# Altium PCB CS1237-24-Bit-ADC.PcbDoc
Units mm, origin at the board's own origin, x right, y up, seen from the top; angles counter-clockwise.
Board outline 33.17 x 16.3 mm, 2 copper layers (Top Layer, Bottom Layer); 16 components, 11 nets, 52 pads, 6 vias.
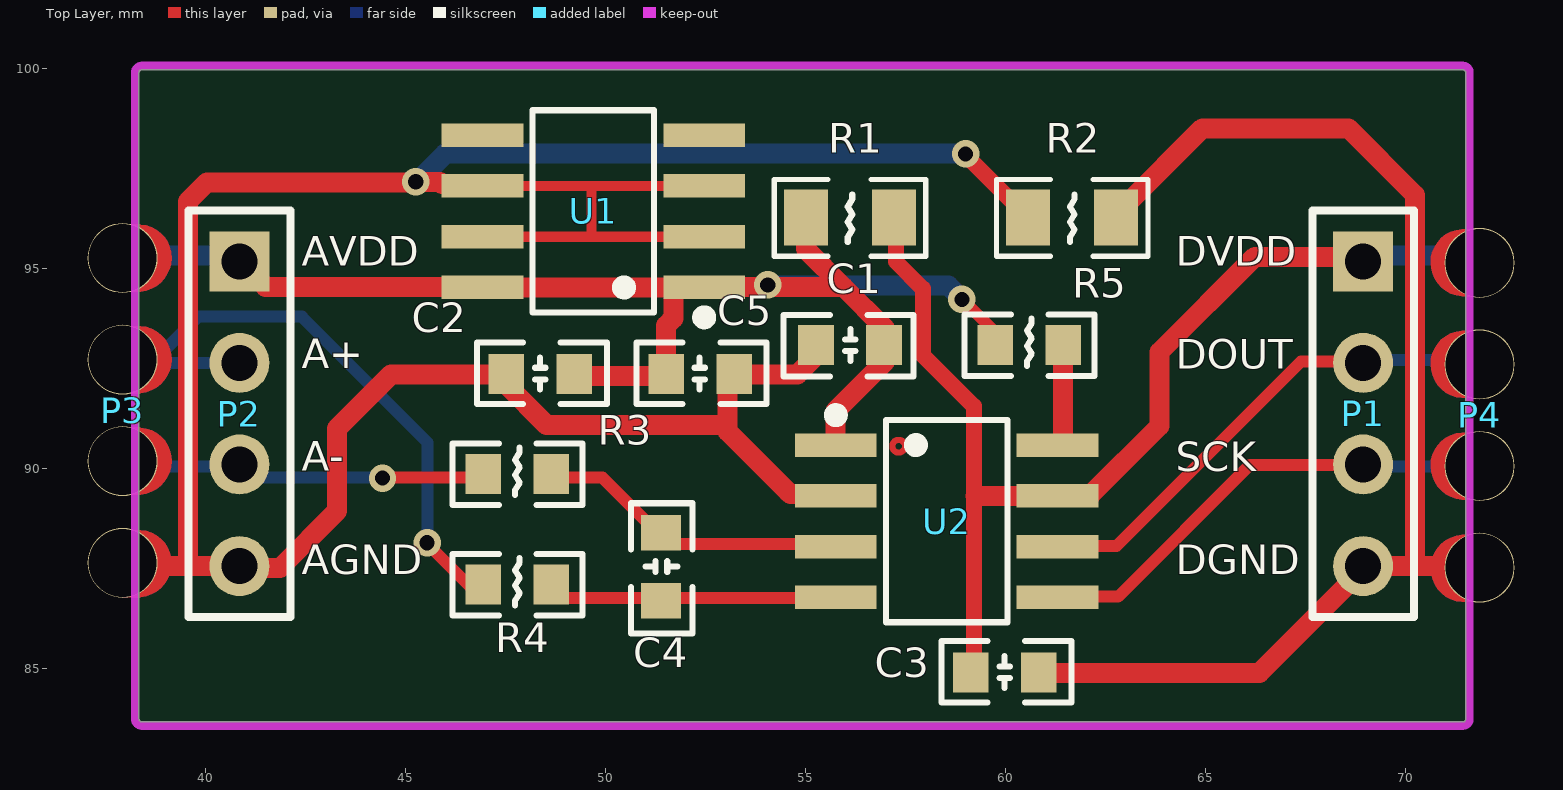
[diagram p0: Top Layer view]
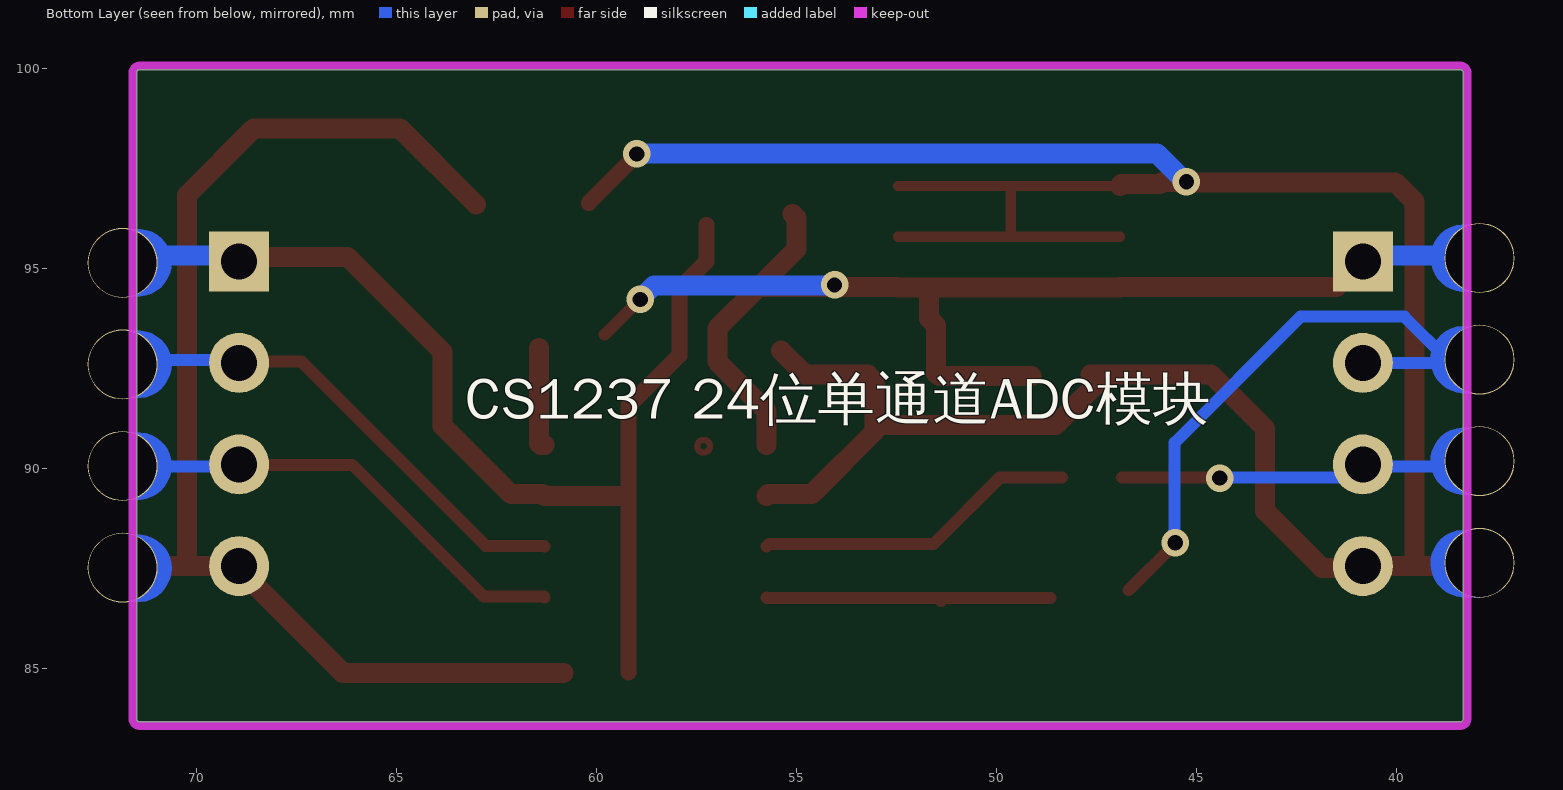
[diagram p1: Bottom Layer view, seen from below]

## Layer stack, top to bottom
Top Solder: solder mask 0.0102, Solder Resist, Dk 3.5
Top Layer: signal copper 0.0356
Dielectric 1: dielectric 0.32, FR-4, Dk 4.8
Bottom Layer: signal copper 0.0356
Bottom Solder: solder mask 0.0102, Solder Resist, Dk 3.5

## Board outline
38.325,83.74 38.325,99.893 cw(c38.4,99.893) 38.4,99.968 71.42,99.968 cw(c71.42,99.893) 71.495,99.893 71.495,83.74 cw(c71.42,83.74) 71.42,83.665 38.4,83.665 cw(c38.4,83.74)

## Design rules (kind name [scope] priority, off if disabled: settings)
Clearance [All] p1: gap=0.254 ignorepadtopadclearanceinfootprint=FALSE except(0: Arc-Hole Track-Hole SMDPad-Hole THPad-Hole Via-Hole Fill-Hole Poly-Hole Region-Hole Text-Hole)
PolygonConnect [All] p1: connectstyle=Relief reliefconductorwidth=0.254 reliefentries=4 polygonreliefangle="90 Angle" airgapwidth=0.254
RoutingVias [All] p1: holewidth=0.711 width=1.27 viastyle="Through Hole" minholewidth=0.711 minwidth=1.27 maxholewidth=0.711 maxwidth=1.27
SolderMaskExpansion [All] p1: expansion=0.102 istentingtop=FALSE
Width [All] p1: maxlimit=0.5 minlimit=0.254 preferedwidth=0.3
30 further rules are at their usual default settings.

## Components (designator, comment, footprint, x,y, rotation, side; value= is the part's Value field where it differs from the comment)
C1 "100nF" C0603 56.102,93.088 r180 top
C2 "1uF" C0603 48.363,92.364 r0 top
C3 "100nF" C0603 59.976,84.9 r0 top
C4 "100nF" C0603 51.38,87.54 r270 top
C5 "100nF" C0603 52.353,92.364 r0 top
P1 "" HDR1X4 68.931,95.179 r270 top
P2 "" HDR1X4 40.838,95.179 r270 top
P3 "Castellated_1x04" Castellated_1X04 37.92,95.26 r270 top
P4 "Castellated_1x04" Castellated_1X04 71.84,95.14 r270 top
R1 "1kΩ" R0805 56.102,96.271 r180 top
R2 "0Ω" R0805 61.657,96.271 r180 top
R3 "1kΩ" R0603 47.78,89.86 r180 top
R4 "1kΩ" R0603 47.78,87.1 r180 top
R5 "0Ω" R0603 60.58,93.088 r180 top
U1 "TL431BIDR" SOIC-8E 49.684,96.429 r180 top locked
U2 "CS1237-SO" SOIC-8E 58.52,88.68 r0 top locked

## Footprints (in the part's own frame and the unit in brackets; to place one, negate y for a bottom-side part, rotate by r counter-clockwise, add the part's x,y. Pads: shape width x height; smd on the part's side, far side on the other; paste and mask are expansions set on the pad)
C0603 [mm]
  rect 0.889x1 smd: 1(-0.85,0) 2(0.85,0)
  silkscreen extent -1.59,-0.75 1.66,0.79, body extent -0.77,-0.38 0.83,0.42, height 0.8
Castellated_1X04 [mm]
  round 1.75 hole 1.7: 1(0,0) 2(2.54,0) 3(5.08,0) 4(7.62,0)
  Top Layer region: 6.802,0 6.802,0.449 6.932,0.843 7.237,1.125 7.64,1.223 7.64,1.223 8.04,1.119 8.343,0.839 8.479,0.449 8.479,0.449 8.479,0
  Top Layer region: 4.242,0 4.242,0.449 4.371,0.843 4.676,1.125 5.08,1.223 5.08,1.223 5.479,1.119 5.782,0.839 5.918,0.449 5.918,0.449 5.918,0
  Top Layer region: 1.702,0 1.702,0.449 1.831,0.843 2.136,1.125 2.54,1.223 2.54,1.223 2.939,1.119 3.242,0.839 3.378,0.449 3.378,0.449 3.378,0
  Top Layer region: -0.838,0 -0.838,0.449 -0.709,0.843 -0.404,1.125 0,1.223 0,1.223 0.399,1.119 0.702,0.839 0.838,0.449 0.838,0.449 0.838,0
  Bottom Layer region: -0.838,-0.206 -0.838,0.449 -0.709,0.843 -0.404,1.125 0,1.223 0,1.223 0.399,1.119 0.702,0.839 0.838,0.449 0.838,0.449 0.838,-0.206
  Bottom Layer region: 1.702,0 1.702,0.449 1.831,0.843 2.136,1.125 2.54,1.223 2.54,1.223 2.939,1.119 3.242,0.839 3.378,0.449 3.378,0.449 3.378,0
  Bottom Layer region: 6.802,0 6.802,0.449 6.932,0.843 7.237,1.125 7.64,1.223 7.64,1.223 8.04,1.119 8.343,0.839 8.479,0.449 8.479,0.449 8.479,0
  Bottom Layer region: 4.242,0 4.242,0.449 4.371,0.843 4.676,1.125 5.08,1.223 5.08,1.223 5.479,1.119 5.782,0.839 5.918,0.449 5.918,0.449 5.918,0
HDR1X4 [mm] "Connector; Header; 4 Position"
  rect 1.5x1.5 hole 0.9: 1(0,0)
  round 1.5 hole 0.9: 2(2.54,0) 3(5.08,0) 4(7.62,0)
  silkscreen extent -1.27,-1.27 8.89,1.27
R0603 [mm]
  rect 0.889x1 smd: 1(-0.85,0) 2(0.85,0)
  silkscreen extent -1.64,-0.76 1.61,0.77, body extent -1.07,-0.39 1.03,0.41, height 0.5
R0805 [mm]
  rect 1.1x1.4 smd: 1(-1.1,0) 2(1.1,0)
  silkscreen extent -1.89,-0.95 1.89,0.97, body extent -1,-0.61 1,0.64, height 0.52
SOIC-8E [mm] "SOIC, 8-Leads, Body 4.90x3.90mm, Pitch 1.27mm, IPC Medium Density"
  rect 2.045x0.588 smd paste+0 mask+0.051: 1(-2.773,1.905) 2(-2.773,0.635) 3(-2.773,-0.635) 4(-2.773,-1.905) 5(2.773,-1.905) 6(2.773,-0.635) 7(2.773,0.635) 8(2.773,1.905)
  silkscreen extent -2.92,-2.53 1.52,2.8, body extent -3,-2.5 3,2.5, height 1.75

## Part data
C1 C2 C3 C4 C5: library part Cap_0603, "Capacitor, X5R, ±10%, 6.3V", Manufacturer=N.A., Part Number=C0603-N.C., Volts=6.3V, Artikkelnr Noca=20069060, Artikkelnr Simpro=N.A., Footprint Doc=0603, LatestRevisionDate=2009-11-23, Manufacturer Part Number=N.A., Pin Count=2, Published=2009-05-08, Publisher="Nordic Semiconductor"
P1 P2: library part "Header 4", "Header, 4-Pin", LatestRevisionDate=17-Jul-2002, LatestRevisionNote="Re-released for DXP Platform.", Publisher="Altium Limited"
P3 P4: "Header, 4-Pin", LatestRevisionDate=17-Jul-2002, LatestRevisionNote="Re-released for DXP Platform.", Publisher="Altium Limited"
R1 R2: library part Res_0805, "Resistor, ±1%, 0.200W", Specification=±1%
R3 R4 R5: library part Res_0603, "Resistor, ±1%, 0.100W", Manufacturer=N.A., Part Number=R0603-N.C.Ω, Artikkelnr Noca=N.A., Artikkelnr Simpro=N.A., Footprint Doc=0603, LatestRevisionDate=2009-05-08, Manufacturer Part Number=N.A., Note="Chip Res", Pin Count=2, Published=2009-05-08, Publisher="Nordic Semiconductor"
U1: "TL431, TL432 Precision Programmable Reference", Input Voltage=-, JLCPCB Part Class="Extended Part", Manufacturer=TI(德州仪器), Minimum Cathode Current for Regulation=700uA, Operating Temperature=-40℃~+85℃@(Ta), Output Current=100mA, Output Voltage=2.495V~36V, Tolerance=±0.5%, Add into BOM=yes, Convert to PCB=yes, Datasheet=https://www.ti.com/cn/lit/gpn/tl431, Device=TL431BIDR, LCSC Part Name=TL431BIDR, Manufacturer Part=TL431BIDR, Noise - 1/10Hz to 10Hz=-, Noise - 10Hz to 10kHz=-, Output Type=Adjustable, Reference Type="parallel connection", Supplier=LCSC, Supplier Footprint=SOIC-8, Supplier Part=C366884, Supply Current=-, Symbol=TL431BIDR, Temperature Coefficient=-
U2: library part CS1237-SO_C7464028, "CS1237 24-Bit High Precision ADC with Delta-Sigma Modulator", JLCPCB Part Class="Extended Part", Manufacturer=CHIPSEA(芯海科技), Contributor=lcsc, Manufacturer Part=CS1237-SO, spicePre=U, spiceSymbolName=CS1237-SO_C7464028, Supplier=LCSC, Supplier Part=C7464028

## Via types
v1: diameter 0.686, hole 0.381, Top Layer to Bottom Layer, tented both sides, 6 vias

## Nets (pads, with @x,y where several pads share a name; then routed paths per layer and width w, separated by ;. In a path a pad name is that pad's centre, name@x,y a point inside that pad or via, vN(x,y) a via of type N, cw(c..) or ccw(c..) an arc to the next point about the centre after c; other vN are vias at no path point)
A+: P2.2 P3.2 R4.2 | length 14.8
  Top Layer w0.3: v1@45.544,88.106 R4.2@46.695,86.955
  Bottom Layer w0.3: P3.2@38.717,92.709 39.801,93.793 42.397,93.793 45.544,90.646 v1@45.544,88.185 ; P3.2@38.729,92.639 P2.2
  other v1: 45.529,88.142
A-: P2.3 P3.3 R3.2 | length 7.9
  Top Layer w0.3: v1@44.432,89.773 R3.2@46.853,89.773
  Bottom Layer w0.3: P3.3@38.4,90.169 38.519,90.05 P2.3@40.583,90.05 ; P2.3@41.099,89.773 v1@44.393,89.773
  other v1: 44.414,89.758
AGND: C1.2 C2.1 C5.2 P2.4 P3.4 R2.2 U1.2 U1.3 U1.6 U1.7 U2.2 | length 70.1
  Top Layer w0.254: U1.7 U1.2 ; U1.6 49.64,97.064 ; 49.64,95.794 49.64,97.064 ; U1.3 49.64,97.064
  Top Layer w0.4: v1@58.998,97.829 R2.2@60.188,96.638
  Top Layer w0.5: 38.829,87.559 P2.4 40.887,87.51 41.853,87.51 43.282,88.939 43.282,91.003 44.631,92.352 C2.1@47.647,92.352 ; 39.551,87.639 39.551,96.678 40.027,97.154 v1@45.248,97.154 ; v1(45.248,97.165) 45.847,97.165 45.904,97.108 46.867,97.108 U1.6 ; C2.1@47.488,92.313 47.488,92.114 48.52,91.082 53.045,91.082 ; C5.2@53.045,92.193 53.045,90.923 54.553,89.415 54.609,89.359 55.703,89.359 U2.2 ; C5.2@53.203,92.352 54.791,92.352 C1.2@55.386,92.948
  Bottom Layer w0.5: v1@45.266,97.154 45.98,97.869 v1@59.037,97.869
  other v1: 58.992,97.864
AVDD: C1.1 C2.2 C5.1 P2.1 P3.1 R1.2 R5.2 U1.1 U1.8 U2.1 | length 34.6
  Top Layer w0.3: v1@58.879,94.257 R5.2@59.792,93.344
  Top Layer w0.5: P2.1@41.178,94.853 41.496,94.535 U1.8@46.911,94.535 ; U1.8 U1.1@51.728,94.524 ; C2.2@49.116,92.313 C5.1@51.417,92.313 ; C5.1@51.503,92.374 51.503,93.57 51.684,93.751 51.684,94.48 U1.1@51.728,94.524 ; U1.1 U1.1@51.728,94.524 ; U1.1@52.489,94.535 55.942,94.535 ; R1.2@55.102,96.367 54.997,96.262 54.997,95.48 55.942,94.535 ; U2.1 55.743,90.589 55.743,91.439 56.974,92.67 56.974,93.503 55.942,94.535
  Bottom Layer w0.5: P3.1@38.678,95.329 40.384,95.329 P2.1@40.424,95.368 ; v1@54.037,94.575 58.561,94.575 v1@58.918,94.218
  other v1: 58.899,94.226 54.044,94.587
DGND: C3.2 P1.4 P4.4 R2.1 | length 29.3
  Top Layer w0.5: C3.2@60.823,84.891 66.34,84.891 68.602,87.153 68.721,87.153 P1.4@69.029,87.461 ; R2.1@63.006,96.599 64.911,98.504 68.562,98.504 70.229,96.837 70.229,87.622 ; P1.4 70.372,87.559 ; 70.309,87.622 70.372,87.559 ; P4.4@70.991,87.559 70.372,87.559
DOUT: P1.2 P4.2 U2.6 | length 10.8
  Top Layer w0.3: U2.6 61.313,88.066 62.768,88.066 67.372,92.67 P1.2@68.483,92.67
  Bottom Layer w0.3: P1.2@69.317,92.709 P4.2@71.023,92.709
DVDD: C3.1 P1.1 P4.1 R1.1 U2.7 | length 27
  Top Layer w0.4: R1.1@57.252,96.083 57.252,95.17 57.926,94.495 57.926,92.828 59.196,91.558 59.196,90.949 59.2,90.945 59.2,89.36 C3.1@59.2,84.9
  Top Layer w0.5: 59.245,89.315 U2.7 61.337,89.359 62.136,89.359 63.84,91.063 63.84,92.908 66.221,95.289 P1.1@68.88,95.289
  Bottom Layer w0.5: P1.1@69.078,95.329 70.864,95.329 70.904,95.368
NetC4_1: C4.1 R3.1 U2.3 | length 8.1
  Top Layer w0.3: R3.1@48.362,89.773 49.909,89.773 51.576,88.106 55.687,88.106 U2.3
NetC4_2: C4.2 R4.1 U2.4 | length 7.2
  Top Layer w0.3: R4.1@48.639,86.756 C4.2@51.38,86.756 ; C4.2 C4.2@51.38,86.756 ; U2.4 55.729,86.756 C4.2@51.38,86.756
NetR5_1: R5.1 U2.8 | length 2.4
  Top Layer w0.5: U2.8@61.43,90.629 R5.1@61.43,93.016
SCLK: P1.3 P4.3 U2.5 | length 10
  Top Layer w0.3: U2.5 61.313,86.796 62.808,86.796 66.102,90.09 68.443,90.09 P1.3@68.483,90.05
  Bottom Layer w0.3: P1.3@69.356,90.05 70.825,90.05
pads on no net: U1.4 U1.5
copper on no net: | length 1.2
  Top Layer w0.15: 57.16,90.544 57.161,90.533 57.163,90.522 57.166,90.511 57.169,90.5 57.173,90.49 57.178,90.48 57.184,90.471 57.19,90.461 57.197,90.453 57.204,90.444 57.212,90.437 57.221,90.43 57.23,90.423 57.239,90.417 57.249,90.412 57.259,90.408 57.269,90.404 57.28,90.401 57.291,90.398 57.302,90.397 57.313,90.396 57.324,90.396 57.335,90.397 57.346,90.398 57.357,90.401 57.367,90.404 57.378,90.408 57.388,90.412 57.398,90.417 57.407,90.423 57.416,90.43 57.425,90.437 57.433,90.444 57.44,90.453 57.447,90.461 57.453,90.471 57.459,90.48 57.463,90.49 57.468,90.5 57.471,90.511 57.474,90.522 57.476,90.533 57.477,90.544 57.477,90.555 57.477,90.566 57.476,90.577 57.474,90.588 57.471,90.599 57.468,90.609 57.463,90.619 57.459,90.629 57.453,90.639 57.447,90.648 57.44,90.657 57.433,90.665 57.425,90.673 57.416,90.68 57.407,90.686 57.398,90.692 57.388,90.698 57.378,90.702 57.367,90.706 57.357,90.709 57.346,90.711 57.335,90.713 57.324,90.714 57.313,90.714 57.302,90.713 57.291,90.711 57.28,90.709 57.269,90.706 57.259,90.702 57.249,90.698 57.239,90.692 57.23,90.686 57.221,90.68 57.212,90.673 57.204,90.665 57.197,90.657 57.19,90.648 57.184,90.639 57.178,90.629 57.173,90.619 57.169,90.609 57.166,90.599 57.163,90.588 57.161,90.577 57.16,90.566 57.16,90.555 57.16,90.544
  Top Layer w0.5: 61.293,90.585 61.386,90.585 61.43,90.629

## Keep-outs
Keep-Out Layer:
  lines w0.2: 38.225,83.74 ccw(c38.4,83.74) 38.4,83.565 71.42,83.565 ccw(c71.42,83.74) 71.595,83.74 71.595,99.893 ccw(c71.42,99.893) 71.42,100.068 38.4,100.068 ccw(c38.4,99.893) 38.225,99.893 38.225,83.74

## Silkscreen, mask and mechanical layers (free items; w line width, h text height)
Top Overlay:
  text "AVDD" at 42.393,94.815 h1.27
  text "DVDD" at 64.244,94.817 h1.27
  text "A+" at 42.393,92.253 h1.27
  text "DOUT" at 64.244,92.246 h1.27
  text "A-" at 42.393,89.692 h1.27
  text "SCK" at 64.244,89.675 h1.27
  text "AGND" at 42.393,87.102 h1.27
  text "DGND" at 64.244,87.104 h1.27
Bottom Overlay:
  text "CS1237 24位单通道ADC模块" at 63.273,90.894 h1.8

## Dimensions
38.276,100.017 to 71.6,100.28 on Mechanical 16
38.276,100.017 to 38.276,83.616 on Mechanical 16